# Altium PCB DCAC_V2c.PcbDoc (part 3 of 7) (continued)
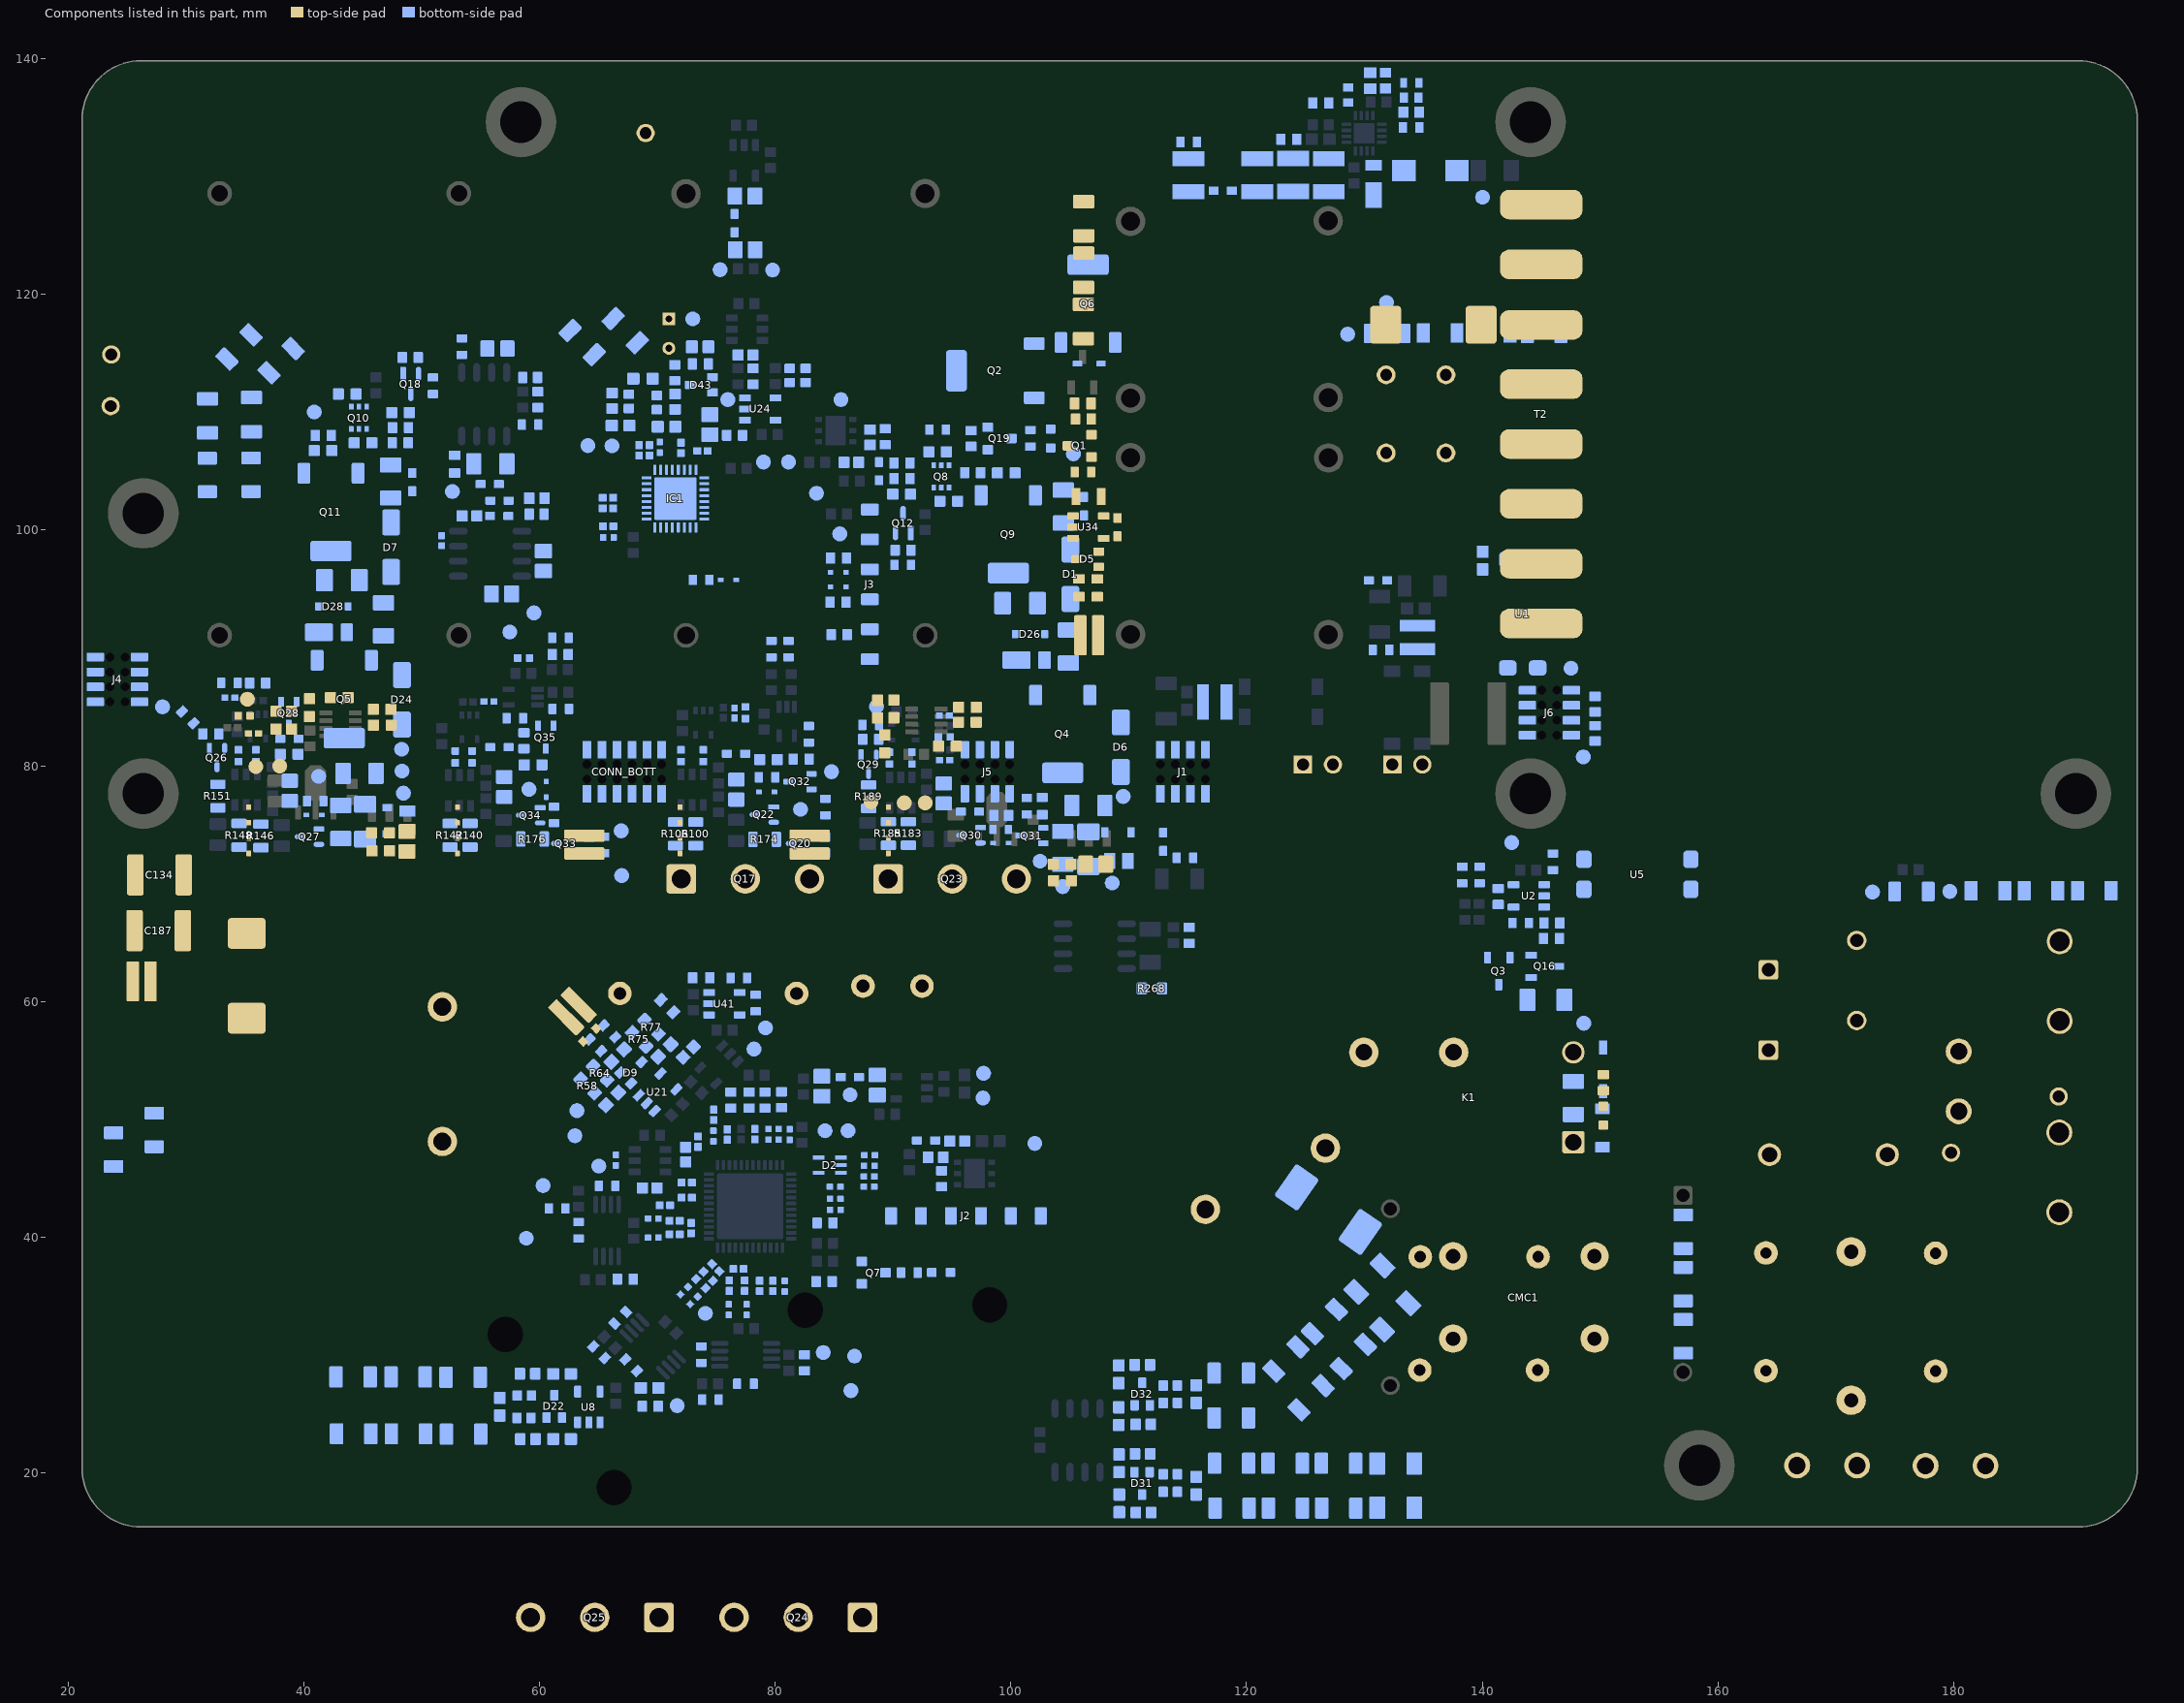
[diagram p5: the components of this part, seen from the top]
## Part data (continued)
C183 C184: library part CMP-2006-02927-1, "X7R ±10% 50V 47nF 0603 Multilayer Ceramic Capacitors MLCC - SMD/SMT ROHS", Case Code (Imperial)=0603, Case Code (Metric)=1608, Dielectric=X7R, Dielectric Material=Ceramic, Insulation Resistance=10GR, JLCPCB Part #=C1622, Manufacturer=Murata, Manufacturer Part Number=GRM188R71H473KA61D, Max Operating Temperature=125°C, Min Operating Temperature=-55°C, Package Quantity=1, Tolerance=10%, Voltage=50V, Capacitance=47nF, Case/Package=0603, Category="Ceramic Capacitors", ComponentLink1Description=https://datasheet.ciiva.com/132/grm188r71h473ka61-01-132379.pdf?src-supplier=Digi-Key, ComponentLink1URL=https://datasheet.ciiva.com/132/grm188r71h473ka61-01-132379.pdf?src-supplier=Digi-Key, ComponentLink2Description=https://datasheet.ciiva.com/132/grm188r71h473ka61-01-132380.pdf?src-supplier=Digi-Key, ComponentLink2URL=https://datasheet.ciiva.com/132/grm188r71h473ka61-01-132380.pdf?src-supplier=Digi-Key, ComponentLink3Description=https://datasheet.ciiva.com/11786/0900766b807a1cab-11786316.pdf?src-supplier=RSComponents, ComponentLink3URL=https://datasheet.ciiva.com/11786/0900766b807a1cab-11786316.pdf?src-supplier=RSComponents, ComponentLink4Description=https://datasheet.ciiva.com/132/grm188r71h473ka61-01-132381.pdf?src-supplier=Digi-Key, ComponentLink4URL=https://datasheet.ciiva.com/132/grm188r71h473ka61-01-132381.pdf?src-supplier=Digi-Key, ComponentLink5Description=https://datasheet.ciiva.com/18101/getdatasheetpartid-38124-18101149.pdf?src-supplier=Verical, ComponentLink5URL=https://datasheet.ciiva.com/18101/getdatasheetpartid-38124-18101149.pdf?src-supplier=Verical, ComponentLink6Description=https://datasheet.ciiva.com/29201/451904-da-01-en-vs-kondensator-0603-29201838.pdf?src-supplier=Conrad, ComponentLink6URL=https://datasheet.ciiva.com/29201/451904-da-01-en-vs-kondensator-0603-29201838.pdf?src-supplier=Conrad, ComponentLink7Description=https://datasheet.ciiva.com/7937/4360-7937672.pdf?src-supplier=Element14, ComponentLink7URL=https://datasheet.ciiva.com/7937/4360-7937672.pdf?src-supplier=Element14, ComponentLink8Description=https://datasheet.ciiva.com/14116/nmgrm-data-en-14116600.pdf?src-supplier=Distrelec, ComponentLink8URL=https://datasheet.ciiva.com/14116/nmgrm-data-en-14116600.pdf?src-supplier=Distrelec, ComponentLink9Description=https://datasheet.ciiva.com/7937/4360-7937673.pdf?src-supplier=Element14, ComponentLink9URL=https://datasheet.ciiva.com/7937/4360-7937673.pdf?src-supplier=Element14, ComponentLink10Description=https://datasheet.ciiva.com/48436/nmgrm-data-en-48436665.pdf?src-supplier=Distrelec, ComponentLink10URL=https://datasheet.ciiva.com/48436/nmgrm-data-en-48436665.pdf?src-supplier=Distrelec, ComponentLink11Description=https://datasheet.ciiva.com/7937/4360-7937674.pdf?src-supplier=Element14, ComponentLink11URL=https://datasheet.ciiva.com/7937/4360-7937674.pdf?src-supplier=Element14, ComponentLink12Description=https://datasheet.ciiva.com/5427/product-5427340.pdf?src-supplier=Mouser, ComponentLink12URL=https://datasheet.ciiva.com/5427/product-5427340.pdf?src-supplier=Mouser, ComponentLink13Description=https://datasheet.ciiva.com/16393/product-16393388.pdf?src-supplier=Future+Electronics, ComponentLink13URL=https://datasheet.ciiva.com/16393/product-16393388.pdf?src-supplier=Future+Electronics, Construction=Flat, Depth=0.8mm, Height=0.8mm, Lead Free="Lead Free", Length=1.6mm, Material=Ceramic, Mount="Surface Mount", Number of Pins=2, Packaging="Tape and Reel", Part Number=GRM188R71H473KA61D, Pricing 1="4000=0.02460, 8000=0.02420, 12000=0.02400, 20000=0.02370, 24000=0.02350, 100000=0.02330 (USD)", Radiation Hardening=No, REACH SVHC="No SVHC", RoHS=Yes, RoHS Compliant=Yes, Series=GRM, Stock 1=388000, Supplier 1="Arrow Electronics", Supplier Part Number 1=GRM188R71H473KA61D, Termination=SMD/SMT, Thickness=0.035inch, Voltage Rating=50V, Voltage Rating (DC)=50V, Width=0.031inch
CE1 CL1 CN1: "Connector", Manufacturer_Name="TE Connectivity", Mouser Part Number=571-1217861-1, Arrow Part Number=1217861-1, Arrow Price/Stock=https://www.arrow.com/en/products/1217861-1/te-connectivity, Datasheet Link=http://docs-emea.rs-online.com/webdocs/1278/0900766b812785e3.pdf, Manufacturer_Part_Number=1217861-1, Mouser Price/Stock=https://www.mouser.co.uk/ProductDetail/TE-Connectivity-AMP/1217861-1/?qs=YkfQu37F2pOh5mJSH68dJA%3D%3D
CMC1: library part CMC_2K2_100M_3216-SMD, "Common Mode Choke 2.2K Ohm 1206 SMD", Manufacturer 1="Wurth Electronics Inc", Manufacturer Part Number 1=744232222, Package / Case="Horizontal, 4 PC Pad", Ratings="2.2k Ohms at 100MHz", Supplier Part Number 1=732-1474-1-ND, ComponentLink1Description="744232222 datasheet", ComponentLink1URL=http://katalog.we-online.de/kataloge/eisos/media/pdf/744232222.pdf, Height (Max)="0.083\" (2.10mm)", Impedance="2200 Ohm at 100 MHz", PackageDescription="SMD Inductor, 4-Leads, Body 1.8 x 3.4 mm", SCDType=source, Supplier 1=Digi-Key
CONN_BOTT: "Connector", Manufacturer_Name=SAMTEC, Mouser Part Number=200-CLP10602FDBE, Arrow Part Number=CLP-106-02-F-D-BE, Arrow Price/Stock=https://www.arrow.com/en/products/clp-106-02-f-d-be/samtec, Datasheet Link=http://suddendocs.samtec.com/prints/erm8-xxx-xx.x-xxx-dv-xxxx-xx-mkt.pdf, Manufacturer_Part_Number=CLP-106-02-F-D-BE, Mouser Price/Stock=https://www.mouser.co.uk/ProductDetail/Samtec/CLP-106-02-F-D-BE?qs=0lQeLiL1qybMRsXYGL6Lww%3D%3D
D1 D6 D7 D24: library part DIOD-D-A1K2-2, "Surface Mount Ultra Fast Rectifier, 800V, 1 A, -65 to 125 degC, 2-Pin SMA Package, RoHS, Tape and Reel", Average Rectified Current=1A, Case/Package=SMA, Forward Voltage=1.25V, Manufacturer=STMicroelectronics, Manufacturer Part Number=STTH108A, Max Forward Surge Current (Ifsm)=20A, Max Operating Temperature=175°C, Max Repetitive Reverse Voltage (Vrrm)=800V, Min Operating Temperature=-50°C, Package Quantity=5000, Peak Reverse Current=5uA, Supplier Part Number 1=497-2459-1-ND, ComponentLink1Description="Manufacturer URL", ComponentLink1URL=http://www.diodes.com/, ComponentLink2Description=Datasheet, ComponentLink2URL=http://diodes.com/datasheets/ds16003.pdf, ComponentLink3Description="Package Specification", ComponentLink3URL=http://diodes.com/datasheets/ds16003.pdf, ComponentLink4Description=https://datasheet.ciiva.com/5794/483298-5794228.pdf?src-supplier=Farnell, ComponentLink4URL=https://datasheet.ciiva.com/5794/483298-5794228.pdf?src-supplier=Farnell, ComponentLink5Description=https://datasheet.ciiva.com/4453/cd00003259-49416-4453144.pdf?src-supplier=Mouser, ComponentLink5URL=https://datasheet.ciiva.com/4453/cd00003259-49416-4453144.pdf?src-supplier=Mouser, ComponentLink6Description=https://datasheet.ciiva.com/915/cd00003259-915996.pdf?src-supplier=Digi-Key, ComponentLink6URL=https://datasheet.ciiva.com/915/cd00003259-915996.pdf?src-supplier=Digi-Key, ComponentLink7Description=https://datasheet.ciiva.com/915/cd00003259-915997.pdf?src-supplier=Digi-Key, ComponentLink7URL=https://datasheet.ciiva.com/915/cd00003259-915997.pdf?src-supplier=Digi-Key, ComponentLink8Description=https://datasheet.ciiva.com/915/cd00003259-915998.pdf?src-supplier=Digi-Key, ComponentLink8URL=https://datasheet.ciiva.com/915/cd00003259-915998.pdf?src-supplier=Digi-Key, ComponentLink9Description=https://datasheet.ciiva.com/16391/cd00003259-16391743.pdf?src-supplier=Future+Electronics, ComponentLink9URL=https://datasheet.ciiva.com/16391/cd00003259-16391743.pdf?src-supplier=Future+Electronics, Contact Plating=Tin,Matte, Current Rating=1A, Element Configuration=Single, Forward Current=1A, Height=2.03mm, Lead Free="Lead Free", Length=4.6mm, Max Reverse Voltage (DC)=800V, Max Surge Current=20A, Mount="Surface Mount", Number of Pins=2, Output Current=1A, Packaging="Tape and Reel", Peak Non-Repetitive Surge Current=20A, Polarity=Standard, Pricing 1="1=0,62000, 10=0,53100, 100=0,39660, 500=0,31158, 1000=0,24077, 2500=0,21953 (USD)", Radiation Hardening=No, REACH SVHC="No SVHC", Recovery Time=75ns, Reverse Recovery Time=75ns, Reverse Voltage=800V, RoHS=Yes, Stock 1=11467, Supplier 1=Digi-Key, Termination=SMD/SMT, Voltage Rating (DC)=800V, Width=2.95mm
D2: library part ba4253d81ba893034e2a76e8f43080a, "TVS DIODE 3V SOT323-5", Breakdown Voltage=6.1V, Capacitance=90pF, Manufacturer=STMicroelectronics, Manufacturer Part Number=ESDA6V1W5, Max Junction Temp=+125°C, Package=SOT323-5L, Peak Pulse Power=150W, Reverse Standoff Voltage=3V, Temperature="-40°C to +125°C", Temperature Range Low=-40°C, Automotive=No, Category=Diode, ComponentLink2Description=Datasheet, ComponentLink2URL=https://www.st.com/resource/en/datasheet/esdaxxxwx.pdf, Device Class L1="Circuit Protection", Device Class L2="TVS Diodes", Device Class L3=unset, Digikey Description="TVS DIODE 3V SOT323-5", Direction=Unidirectional, Height=1.1mm, Ipc Land Pattern Name=SOT65P210X95-5, Lead Free=Yes, Mouser Description="TVS Diodes / ESD Suppressors 6.1V 150W Unidirect", Number of Channels=2, Octopart=https://octopart.com/esda6v1w5-stmicroelectronics-39557953, RoHS=TRUE, Standoff Height=0mm, Temperature Range High=+125°C
D3 D4: library part CMP-1161-00003-1, "3rd Generation ThinQ SiC Schottky Diode, -55 to 175 degC, PG-TO220-2-1, Tube, Green", Manufacturer=Infineon, Supplier Part Number 1=IDH06G65C6XKSA1-ND, ComponentLink1Description="Manufacturer URL", ComponentLink1URL=http://www.infineon.com/, ComponentLink2Description=Datasheet, ComponentLink2URL=http://www.infineon.com/dgdl/IDH06SG60C_rev2.4.pdf?folderId=db3a30431ddc9372011ed0010fda1bd3&fileId=db3a30431ed1d7b2011eee0cadfb545a, ComponentLink3Description="Package Specification", ComponentLink3URL=http://www.infineon.com/dgdl/IDP09E120_v2_3G%5B1%5D.pdf?folderId=db3a304314dca38901151224afae0c96&fileId=db3a30432313ff5e01237a7d849d7c11, ComponentLink4Description=https://www.infineon.com/dgdl/Infineon-IDH06G65C6-DS-v02_00-EN.pdf?fileId=5546d4625cc9456a015cd4d37d7a2df6&src-supplier=Digi-Key, ComponentLink4URL=https://www.infineon.com/dgdl/Infineon-IDH06G65C6-DS-v02_00-EN.pdf?fileId=5546d4625cc9456a015cd4d37d7a2df6&src-supplier=Digi-Key, Manufacturer Part Number=IDH06G65C6XKSA1, Pricing 1="1=2,68000, 10=2,41000, 100=1,97460, 500=1,68092, 1000=1,41764 (USD)", RoHS=No, Stock 1=1521, Supplier 1=Digi-Key
D5 D9 D22 D31 D32 D43: library part CMP-1055-00560-1, "Dual Series Schottky Barrier Diodes, 3-Pin SOT-323, Tape and Reel", Manufacturer="On Semiconductor", ComponentLink1Description="Manufacturer URL", ComponentLink1URL=http://www.onsemi.com/, ComponentLink2Description=Datasheet, ComponentLink2URL=http://www.onsemi.cn/pub_link/Collateral/BAT54SWT1-D.PDF, ComponentLink3Description="Package Specification", ComponentLink3URL=http://www.onsemi.com/pub_link/Collateral/419-04.PDF, Configuration=Dual, DatasheetVersion="Rev. 10", IFSM Max (A)=0.6, Mounting Technology="Surface Mount", PackageDescription="3-Pin Small Outline Transistor, Body 2 x 1.25 mm, Pitch 0.65 mm", PackageReference=SOT-323-3-419-04, PackageVersion="Rev. N, 11/2008", Packing="Tape and Reel", PartNumber=BAT54SWT1, RoHS=FALSE, trr Max (ns)=5
D8 D10 D13 D14 D15 D16 D17 D20: library part CMP-1063-00102-1, "Transient Voltage Suppressor, Micro-Packaged Diode for ESD Protection, 2-Pin SOD-523, Pb-Free, Tape and Reel", Manufacturer="On Semiconductor", PartNumber=ESD5Z5.0T1G, ComponentLink1Description="Manufacturer URL", ComponentLink1URL=http://www.onsemi.com/, ComponentLink2Description=Datasheet, ComponentLink2URL=http://www.onsemi.cn/pub_link/Collateral/ESD5Z2.5T1-D.PDF, ComponentLink3Description="Package Specification", ComponentLink3URL=http://www.onsemi.com/pub_link/Collateral/502-01.PDF, DatasheetVersion="Rev. 10", Direction=Unidirectional, IR Max (uA)=0.05, Mounting Technology="Surface Mount", Number of Lines=1, PackageDescription="2-Pin SOD, Body 1.2 x 0.8 mm", PackageReference=SOD-523-2-502-01, PackageVersion="Rev. E, 09/2010", Packing="Tape and Reel", PPK Max (W)=174, RoHS=Pb-Free, V(BR) Min (V)=6.2, VRWM Max (V)=5
D11 D12 D41: library part CMP-1063-00098-1, "Transient Voltage Suppressor, Micro-Packaged Diode for ESD Protection, 2-Pin SOD-523, Pb-Free, Tape and Reel", Manufacturer="On Semiconductor", PartNumber=ESD5Z3.3T1G, ComponentLink1Description="Manufacturer URL", ComponentLink1URL=http://www.onsemi.com/, ComponentLink2Description=Datasheet, ComponentLink2URL=http://www.onsemi.cn/pub_link/Collateral/ESD5Z2.5T1-D.PDF, ComponentLink3Description="Package Specification", ComponentLink3URL=http://www.onsemi.com/pub_link/Collateral/502-01.PDF, DatasheetVersion="Rev. 10", Direction=Unidirectional, IR Max (uA)=0.05, Mounting Technology="Surface Mount", Number of Lines=1, PackageDescription="2-Pin SOD, Body 1.2 x 0.8 mm", PackageReference=SOD-523-2-502-01, PackageVersion="Rev. E, 09/2010", Packing="Tape and Reel", PPK Max (W)=158, RoHS=Pb-Free, V(BR) Min (V)=5, VRWM Max (V)=3.3
D18: library part CMP-1060-00300-1, "Zener Voltage Regulator, 500 mW, 2-Pin SOD-123, Pb-Free, Tape and Reel", Manufacturer="On Semiconductor", ComponentLink1Description="Manufacturer URL", ComponentLink1URL=http://www.onsemi.com/, ComponentLink2Description=Datasheet, ComponentLink2URL=http://www.onsemi.com/pub_link/Collateral/MMSZ4678T1-D.PDF, ComponentLink3Description="Package Specification", ComponentLink3URL=http://www.onsemi.com/pub_link/Collateral/425-04.PDF, DatasheetVersion="Rev. 9", Mounting Technology="Surface Mount", P Max (W)=0.5, PackageDescription="2-Pin SOD, Body 1.6 x 2.69 mm", PackageReference=SOD-123-2-425-04, PackageVersion="Rev. G, 10/2009", Packing="Tape and Reel", PartNumber=SZMMSZ4702T1G, RoHS=Pb-Free, VZ Typ (V)=15
D19: library part CMP-0303-00003-1, "1.1V 1A 10uA 1kV 1kV - 1A SOD-123FL Diodes - General Purpose ROHS", @ Terminal Temperature TT (degC)=90, Forward Voltage Drop VF (V)=0.45, JLCPCB Part #=C64898, Manufacturer="Diodes Inc", Maximum Average Rectified Current IO (A)=1, Maximum Reverse Current IR (uA)=50, Operating and Storage Temperature Range="-65 to 125 degC", PartNumber=1N5819HW-7-F, Peak Forward Surge Current IFSM (A)=25, Peak Repetitive Reverse Voltage VRRM (V)=40, @ IF (A)=1, @ VR (V)=40, ComponentLink1Description="Manufacturer URL", ComponentLink1URL=http://www.diodes.com/, ComponentLink2Description=Datasheet, ComponentLink2URL=http://www.diodes.com/datasheets/ds30217.pdf, DatasheetVersion="Rev. 15-2", Mounting Technology="Surface Mount", PackageDescription="2-Pin SOD-123, Body 2.7 x 1.55 mm, Pitch 3.7 mm", PackageReference=SOD-123-2, Packing="Tape and Reel", RoHS=TRUE, Total Capacitance CT (pF)=50, VR (RMS) (V)=28
D25 D27: library part CMP-12790-000030-1, "DIODE SCHOTTKY 20V 2A POWERDI123", Capacitance=75pF, Forward Current=2A, Manufacturer="Diodes Inc.", Max Junction Temp=+125°C, Max Repetitive Reverse Voltage=20V, Max Surge Forward Current=40A, Package=PowerDI123, Peak Reverse Current=1mA, Temperature="-55°C to +125°C", Temperature Range Low=-55°C, Automotive=No, Category=Diode, ComponentLink2Description=Datasheet, ComponentLink2URL=https://www.diodes.com/assets/Datasheets/ds30517.pdf, Device Class L1="Discrete Semiconductors", Device Class L2=Diodes, Device Class L3="Schottky Diodes", Digikey Description="DIODE SCHOTTKY 20V 2A POWERDI123", Footprint Url=https://www.diodes.com/assets/Package-Files/PowerDI123.pdf, Height=1mm, Lead Free=Yes, Manufacturer Part Number=DFLS220L-7, Mouser Description="DFLS220L Series 20 V 2 A Surface Mount Schottky Barrier Rectifier - PowerDI-123", Octopart=https://octopart.com/dfls220l-7-diodes+inc.-328575, Reverse Voltage=20V, RoHS=TRUE, Temperature Range High=+125°C
D26 D28: library part DIODE_ZENER_3V3_SOD323, "Diode Zener SMD 3.3V 200mW SOD-323", Manufacturer 1="ON Semiconductor", Manufacturer Part Number 1=MM3Z3V3ST1G, Package / Case=SOD-323, Ratings="3.3V; 0.2W; Vf=900mV @ 10mA", Supplier Part Number 1=MM3Z3V3ST1GOSCT-ND, Tolerance=±3%, Diode Type=Zener, Material=Si, SCDType=source, Supplier 1=Digi-Key
D29 D30 D33 D34: library part CMP-1055-00481-1, "Schottky Barrier Diode, 2-Pin SOD-523, Pb-Free, Tape and Reel", Manufacturer="On Semiconductor", ComponentLink1Description="Manufacturer URL", ComponentLink1URL=http://www.onsemi.com/, ComponentLink2Description=Datasheet, ComponentLink2URL=http://www.onsemi.cn/pub_link/Collateral/RB520S30T1-D.PDF, ComponentLink3Description="Package Specification", ComponentLink3URL=http://www.onsemi.com/pub_link/Collateral/502-01.PDF, Configuration=Single, DatasheetVersion="Rev. 10", Mounting Technology="Surface Mount", PackageDescription="2-Pin SOD, Body 1.2 x 0.8 mm", PackageReference=SOD-523-2-502-01, PackageVersion="Rev. E, 09/2010", Packing="Tape and Reel", PartNumber=RB520S30T5G, RoHS=TRUE
D35: library part CMP-2000-06158-1, "Low VF Schottky Barrier Rectifier, 2 A, 40 V, -55 to 125 degC, 2-Pin SMD, RoHS, Tape and Reel", Average Rectified Current-Max=2A, Forward Voltage=0.5V, Manufacturer="Diodes Inc", Package Description="2-Pin Small Outline Diode, Body 2.8 x 1.78 mm", Package Reference=POWERDI123-2_A, Peak Current-Max=50A, Reverse Current-Max=100µA, Reverse Voltage-Max [Vrrm]=40V, Datasheet URL=http://www.diodes.com/_files/datasheets/ds30516.pdf, Datasheet Version="Rev. 8-2, 11/2009", Manufacturer URL=http://www.diodes.com/, Mounting Technology=SurfaceMount
D39: library part CMP-08607-000117-1, "TVS DIODE 376V 602V DO214AB", Breakdown Voltage=418V, Case/Package=DO-214AB, Clamping Voltage=602V, Leakage Current=5uA, Manufacturer=Littelfuse, Max Breakdown Voltage=462V, Max Operating Temperature=150°C, Max Power Dissipation=6.5W, Max Reverse Leakage Current=1uA, Max Surge Current=2.5A, Min Operating Temperature=-65°C, Operating Supply Voltage=376V, Package Quantity=3000, Peak Pulse Power=1.5kW, Power Line Protection=No, Resistor Type=Zener, Supplier Part Number 1=1.5SMC440CACT-ND, Test Current=1mA, Voltage Rating (DC)=440V, Category="TVS Diodes", Clamping Voltage-Max=602V, ComponentLink1Description=https://datasheet.ciiva.com/26948/getdatasheetpartid-789195-26948227.pdf?src-supplier=Verical, ComponentLink1URL=https://datasheet.ciiva.com/26948/getdatasheetpartid-789195-26948227.pdf?src-supplier=Verical, ComponentLink2Description=https://datasheet.ciiva.com/332/littelfuse-tvs-diode-1-5smc-datasheet-pdf-332643.pdf?src-supplier=Digi-Key, ComponentLink2URL=https://datasheet.ciiva.com/332/littelfuse-tvs-diode-1-5smc-datasheet-pdf-332643.pdf?src-supplier=Digi-Key, ComponentLink3Description=https://datasheet.ciiva.com/332/littelfuse-tvs-diode-1-5smc-datasheet-pdf-332644.pdf?src-supplier=Digi-Key, ComponentLink3URL=https://datasheet.ciiva.com/332/littelfuse-tvs-diode-1-5smc-datasheet-pdf-332644.pdf?src-supplier=Digi-Key, ComponentLink4Description=https://datasheet.ciiva.com/332/littelfuse-tvs-diode-1-5smc-datasheet-pdf-332645.pdf?src-supplier=Digi-Key, ComponentLink4URL=https://datasheet.ciiva.com/332/littelfuse-tvs-diode-1-5smc-datasheet-pdf-332645.pdf?src-supplier=Digi-Key, ComponentLink5Description=https://datasheet.ciiva.com/1275/littelfuse-tvs-diodes-1-5smc-1275687.pdf?src-supplier=Element14, ComponentLink5URL=https://datasheet.ciiva.com/1275/littelfuse-tvs-diodes-1-5smc-1275687.pdf?src-supplier=Element14, Diode Type=ZENER, Direction=Bidirectional, Element Configuration=Single, Height=2.417mm, Lead Free="Lead Free", Length=7.11mm, Manufacturer Part Number=1.5SMC440CA, Min Breakdown Voltage=418V, Mount="Surface Mount", Number of Bidirectional Channels=1, Number of Channels=1, Number of Elements=1, Number of Pins=2, Packaging="Tape and Reel", Peak Pulse Current=2.5A, Polarity=Bidirectional, Power Dissipation=1.5kW, Pricing 1="1=0.98000, 10=0.87600, 100=0.68340, 500=0.56450, 1000=0.44566 (USD)", Radiation Hardening=No, REACH SVHC=Unknown, Reverse Breakdown Voltage=418V, Reverse Standoff Voltage=376V, RoHS=Yes, RoHS Compliant=Yes, Series=1.5SMC, Stock 1=11544, Supplier 1=Digi-Key, Termination=SMD/SMT, Width=6.22mm
D40: library part CMP-2000-07108-1, "Transient Voltage Suppressor, 1500 W, 434 V, 2-Pin SMD, RoHS, Tape and Reel", Breakdown Voltage=503.5V, Case/Package=DO-214AB, Clamping Voltage=725V, Manufacturer=Littelfuse, Max Operating Temperature=150°C, Max Surge Current=2.1A, Min Operating Temperature=-65°C, Operating Supply Voltage=477V, Package Quantity=3000, Peak Pulse Power=1.5kW, Power Line Protection=No, Resistor Type=Zener, Supplier Part Number 1=18-1.5SMC530ACT-ND, Voltage Rating (DC)=530V, Category="TVS Diodes", ComponentLink1Description=https://datasheet.ciiva.com/349/littelfuse-tvs-diode-1-5smc-datasheet-pdf-349735.pdf?src-supplier=Digi-Key, ComponentLink1URL=https://datasheet.ciiva.com/349/littelfuse-tvs-diode-1-5smc-datasheet-pdf-349735.pdf?src-supplier=Digi-Key, Diode Type=ZENER, Height=2.62mm, Lead Free="Lead Free", Length=8.13mm, Manufacturer Part Number=1.5SMC510A, Min Breakdown Voltage=503.5V, Mount="Surface Mount", Number of Channels=1, Number of Unidirectional Channels=1, Packaging="Tape and Reel", Peak Pulse Current=2.1A, Polarity=Unidirectional, Pricing 1="1=0.90000, 10=0.80300, 100=0.62600, 500=0.51710, 1000=0.40824 (USD)", Reverse Standoff Voltage=477V, RoHS=Yes, RoHS Compliant=Yes, Series=1.5SMC, Stock 1=3000, Supplier 1=Digi-Key, Termination=SMD/SMT, Width=6.22mm
D42: library part CMP-0881-00001-1, "High Conductance Fast Switching Diode, 75 V, -55 to 150 degC, 2-Pin SOD523F, RoHS", Manufacturer="Fairchild Semiconductor", Temperature Range="-55 to 150 degC", BVR (IR="5 uA)=75 V Min.", CO="4 pF Max.", ComponentLink1Description="Manufacturer URL", ComponentLink1URL=http://www.fairchildsemi.com/, ComponentLink2Description=Datasheet, ComponentLink2URL=http://www.fairchildsemi.com/ds/1N/1N4148WT.pdf, DatasheetVersion="Rev. A2", IR (VR="75 V)=5 uA Max.", Mounting Technology="Surface Mount", PackageDescription="2-Pin Surface Mount Device, Body 1.2 x 0.8 mm, Height 0.7 mm", PackageReference=SOD-523F-2, PartNumber=1N4148WT, RoHS=TRUE, VF="1 V Max."
D45 D46: library part CMP-1060-00709-1, "Zener Voltage Regulator, 300 mW, 2-Pin SOD-323, Pb-Free, Tape and Reel", Manufacturer="On Semiconductor", PartNumber=MM3Z16VT1G, ComponentLink1Description="Manufacturer URL", ComponentLink1URL=http://www.onsemi.com/, ComponentLink2Description=Datasheet, ComponentLink2URL=http://www.onsemi.cn/pub_link/Collateral/MM3Z2V4T1-D.PDF, ComponentLink3Description="Package Specification", ComponentLink3URL=http://www.onsemi.com/pub_link/Collateral/477-02.PDF.1, DatasheetVersion="Rev. 9", Mounting Technology="Surface Mount", P Max (W)=0.3, PackageDescription="2-Pin SOD, Body 1.7 x 1.25 mm", PackageReference=SOD-323-2-477-02, PackageVersion="Rev. H, 03/2007", Packing="Tape and Reel", RoHS=Pb-Free, VZ Typ (V)=16.2
F1 F2: library part CMP-0956-00001-1, "Straight PC Leg Fuse Clip-W/O Orientation Leg P/N, 15 A, 2-Pin THD", Current Rating="15 A", Manufacturer=Keystone, ComponentLink1Description="Manufacturer URL", ComponentLink1URL=http://www.keyelco.com/, ComponentLink2Description=Datasheet, ComponentLink2URL=http://www.keyelco.com/product-pdf.cfm?p=354, DatasheetVersion="Rev. E", Fuse Entry=Vertical, Fuse Type=Cylindrical, Mounting Technology="Through Hole", PackageDescription="2-Pin THD, Pin Spacing 6.76 mm, Height 8.71 mm", PackageReference=3517-2, PartNumber=3517, Style=CLIP, UL Recognized=Yes
F3: "Fuse", Manufacturer_Name=Bel, Mouser Part Number=530-0678H9100-02, Datasheet Link="https://www.mouser.com/datasheet/2/643/Bel Fuse_02202018_0678H-1288534.pdf", Height=3.18mm, Manufacturer_Part_Number=0678H9100-02
FB1 FB2 FB3 FB4 FB5 FB6 FB7 FB9 FB10 FB11 FB13 FB14 FB16 FB17 FB18 FB19: library part CMP-0220-00115-1, "SMD EMI Suppression Ferrite Bead WE-CBF, Z = 1500 Ohm", ComponentLink1Description="Manufacturer Link", ComponentLink1URL=http://www.we-online.com, ComponentLink2Description=Datasheet, ComponentLink2URL=http://www.we-online.de/katalog/media/pdf/742792691.pdf, DatasheetVersion=Dec-2005, Impedance="1500 Ohm", PackageDescription="Chip Inductor, 2-Leads, Body 1.6 x 0.8 mm", PackageReference=SMD-0603, PackageVersion=2009
FB8: library part PAS-IND-INDUCTOR-2, "SMD EMI Suppression Ferrite Bead WE-CBF, Z = 1500 Ohm", ComponentLink1Description="Manufacturer Link", ComponentLink1URL=http://www.we-online.com, ComponentLink2Description=Datasheet, ComponentLink2URL=http://www.we-online.de/katalog/media/pdf/742792691.pdf, DatasheetVersion=Dec-2005, Impedance="1500 Ohm", PackageDescription="Chip Inductor, 2-Leads, Body 1.6 x 0.8 mm", PackageReference=SMD-0603, PackageVersion=2009
GDT1: "GDT 240VAC 10KA THROUGH HOLE", Breakdown Voltage=715V, Capacitance=1pF, Manufacturer=Littelfuse, Manufacturer Part Number=AC240L, Max Operating Temperature=125°C, Min Breakdown Voltage=425V, Min Operating Temperature=-40°C, Package Quantity=350, Peak Pulse Current=10A, Supplier Part Number 1=F2725-ND, Voltage Rating=240V, Category=Uncategorized, ComponentLink1Description=https://datasheet.ciiva.com/25606/0900766b81123301-25606550.pdf?src-supplier=RSComponents, ComponentLink1URL=https://datasheet.ciiva.com/25606/0900766b81123301-25606550.pdf?src-supplier=RSComponents, ComponentLink2Description=https://datasheet.ciiva.com/15226/getdatasheetpartid-76877-15226854.pdf?src-supplier=Verical, ComponentLink2URL=https://datasheet.ciiva.com/15226/getdatasheetpartid-76877-15226854.pdf?src-supplier=Verical, ComponentLink3Description=https://datasheet.ciiva.com/323/littelfuse-gdt-ac-cg3-series-323306.pdf?src-supplier=Digi-Key, ComponentLink3URL=https://datasheet.ciiva.com/323/littelfuse-gdt-ac-cg3-series-323306.pdf?src-supplier=Digi-Key, ComponentLink4Description=https://datasheet.ciiva.com/22727/littelfuse-src-gdt-ac-series-r1-22727434.pdf?src-supplier=Element14, ComponentLink4URL=https://datasheet.ciiva.com/22727/littelfuse-src-gdt-ac-series-r1-22727434.pdf?src-supplier=Element14, ComponentLink5Description=https://datasheet.ciiva.com/18416/70184210-18416011.pdf?src-supplier=Allied+Electronics, ComponentLink5URL=https://datasheet.ciiva.com/18416/70184210-18416011.pdf?src-supplier=Allied+Electronics, ComponentLink6Description=https://datasheet.ciiva.com/1272/447910-1272796.pdf?src-supplier=Element14, ComponentLink6URL=https://datasheet.ciiva.com/1272/447910-1272796.pdf?src-supplier=Element14, Fail Short=No, Height=8mm, Lead Free="Lead Free", Length=6.07mm, Max Breakdown Voltage=715V, Mount="Through Hole,Axial,Plug-In", Number of Pins=2, Number of Poles=2, Packaging=Tray, Pricing 1="1=3.08000, 5=2.93200, 10=2.78400, 50=2.24720, 100=1.90520, 350=1.85631, 700=1.56320, 1050=1.39223, 5250=1.22125 (USD)", REACH SVHC=Unknown, RoHS=Yes, Stock 1=1428, Supplier 1=Digi-Key, Termination=Axial
GMOV: library part GMOV-20D271K, "Varistor", Manufacturer_Name=Bourns, Mouser Part Number=652-GMOV-20D271K, Arrow Part Number=GMOV-20D271K, Arrow Price/Stock=https://www.arrow.com/en/products/gmov-20d271k/bourns, Datasheet Link=https://media.digikey.com/pdf/Data%20Sheets/Bourns%20PDFs/GMOV_Series_DS.pdf, Height=26mm, Manufacturer_Part_Number=GMOV-20D271K, Mouser Price/Stock=https://www.mouser.co.uk/ProductDetail/Bourns/GMOV-20D271K?qs=vLWxofP3U2wqBB3%2FsR%252BZvw%3D%3D
GRID_ON: library part CMP-1426-00002-1, "SMD mono-color Chip LED, WL-SMCW, Green", Color=Green, Manufacturer="Wuerth Elektronik", ComponentLink1Description="Manufacturer URL", ComponentLink1URL=http://www.we-online.com, ComponentLink2Description=Datasheet, ComponentLink2URL=http://katalog.we-online.com/led/datasheet/150060GS75000.pdf, PackageReference=0603_A, PartNumber=150060GS75000
IC1: "Microcontroller 32-Bit ARM Cortex-M4 RISC 128KB Flash 1.71V to 3.6V 32-Pin UFQFPN", Manufacturer=STMicroelectronics, Manufacturer Part Number=STM32G431KBU6, Mouser Part Number=511-STM32G431KBU3, Supplier Part Number 1=497-19474-ND, Arrow Part Number=STM32G431KBU3, Arrow Price/Stock=https://www.arrow.com/en/products/stm32g431kbu3/stmicroelectronics, Category=Microcontrollers, Datasheet Link=https://componentsearchengine.com/Datasheets/1/STM32G431KBU3.pdf, Height=0.6mm, Manufacturer_Name=STMicroelectronics, Manufacturer_Part_Number=STM32G431KBU3, Mouser Price/Stock=https://www.mouser.co.uk/ProductDetail/STMicroelectronics/STM32G431KBU3?qs=PzGy0jfpSMtowkKWTRQBRw%3D%3D, Pricing 1="1=5.78000, 10=5.18800, 25=4.90440, 80=4.25038, 230=4.03239, 490=3.61827, 980=3.17870 (USD)", RoHS=No, Stock 1=293, Supplier 1=Digi-Key
J1 J4 J5 J6: "Connector", Manufacturer_Name=SAMTEC, Mouser Part Number=200-CLP10402FDBE, Arrow Part Number=CLP-104-02-F-D-BE, Arrow Price/Stock=https://www.arrow.com/en/products/clp-104-02-f-d-be/samtec, Datasheet Link=http://suddendocs.samtec.com/prints/erm8-xxx-xx.x-xxx-dv-xxxx-xx-mkt.pdf, Manufacturer_Part_Number=CLP-104-02-F-D-BE, Mouser Price/Stock=https://www.mouser.co.uk/ProductDetail/Samtec/CLP-104-02-F-D-BE?qs=0lQeLiL1qybJIh6Z%2F3PMbA%3D%3D
J2 J3: "Header, 6-Pin", LatestRevisionDate=17-Jul-2002, LatestRevisionNote="Re-released for DXP Platform.", Publisher="Altium Limited"
K1: library part CMP-1503-00190-1, "LQ Relays, 12 V Coil Voltage, 200 mW Nominal Operating Power, -40 to 85 degC, 4-Pin LQ, Carton, Case, RoHS", Coil Voltage="12 V", Manufacturer=Panasonic, Max Switching Current="10 A (N.O.), 3 A (N.C.)", Max Switching Voltage="250 V AC", Nominal Operating Power="200 mW", ComponentLink1Description="Manufacturer URL", ComponentLink1URL=http://www3.panasonic.biz/ac/ae/index.jsp, ComponentLink2Description=Datasheet, ComponentLink2URL=http://www3.panasonic.biz/ac/e_download/control/relay/power/catalog/mech_eng_lq.pdf?f_cd=401220, ComponentLink3Description="Package Specification", ComponentLink3URL=http://www3.panasonic.biz/ac/e_download/control/relay/power/catalog/mech_eng_lq.pdf?f_cd=401220, DatasheetVersion=201410-T, Electrical Life=5x10^4, Mechanical Life(Min.operation)=1x10^7, Mounting Technology="Through Hole", PackageDescription="4-Pin Through Hole Terminal Package, Body 20 x 10 mm", PackageReference=LQ-4-2000x1000x1600, PackageVersion="ASCTB92E, 10/2014", Packing="Carton, Case", PartNumber=ALQ312, Pb-Free=True, RoHS=True, Series="LQ Relays"